# Altium PCB ST1-1-BASIS.PcbDoc (part 6 of 7)
Units mm, origin at the board's own origin, x right, y up, seen from the top; angles counter-clockwise.
Board outline 88 x 170 mm, 6 copper layers (Top Layer, Mid 1, Mid 2 (GND), Mid 3 (PWR), Mid 4, Bottom Layer), stack 1.55 mm thick; 633 components, 333 nets, 1767 pads, 930 vias.
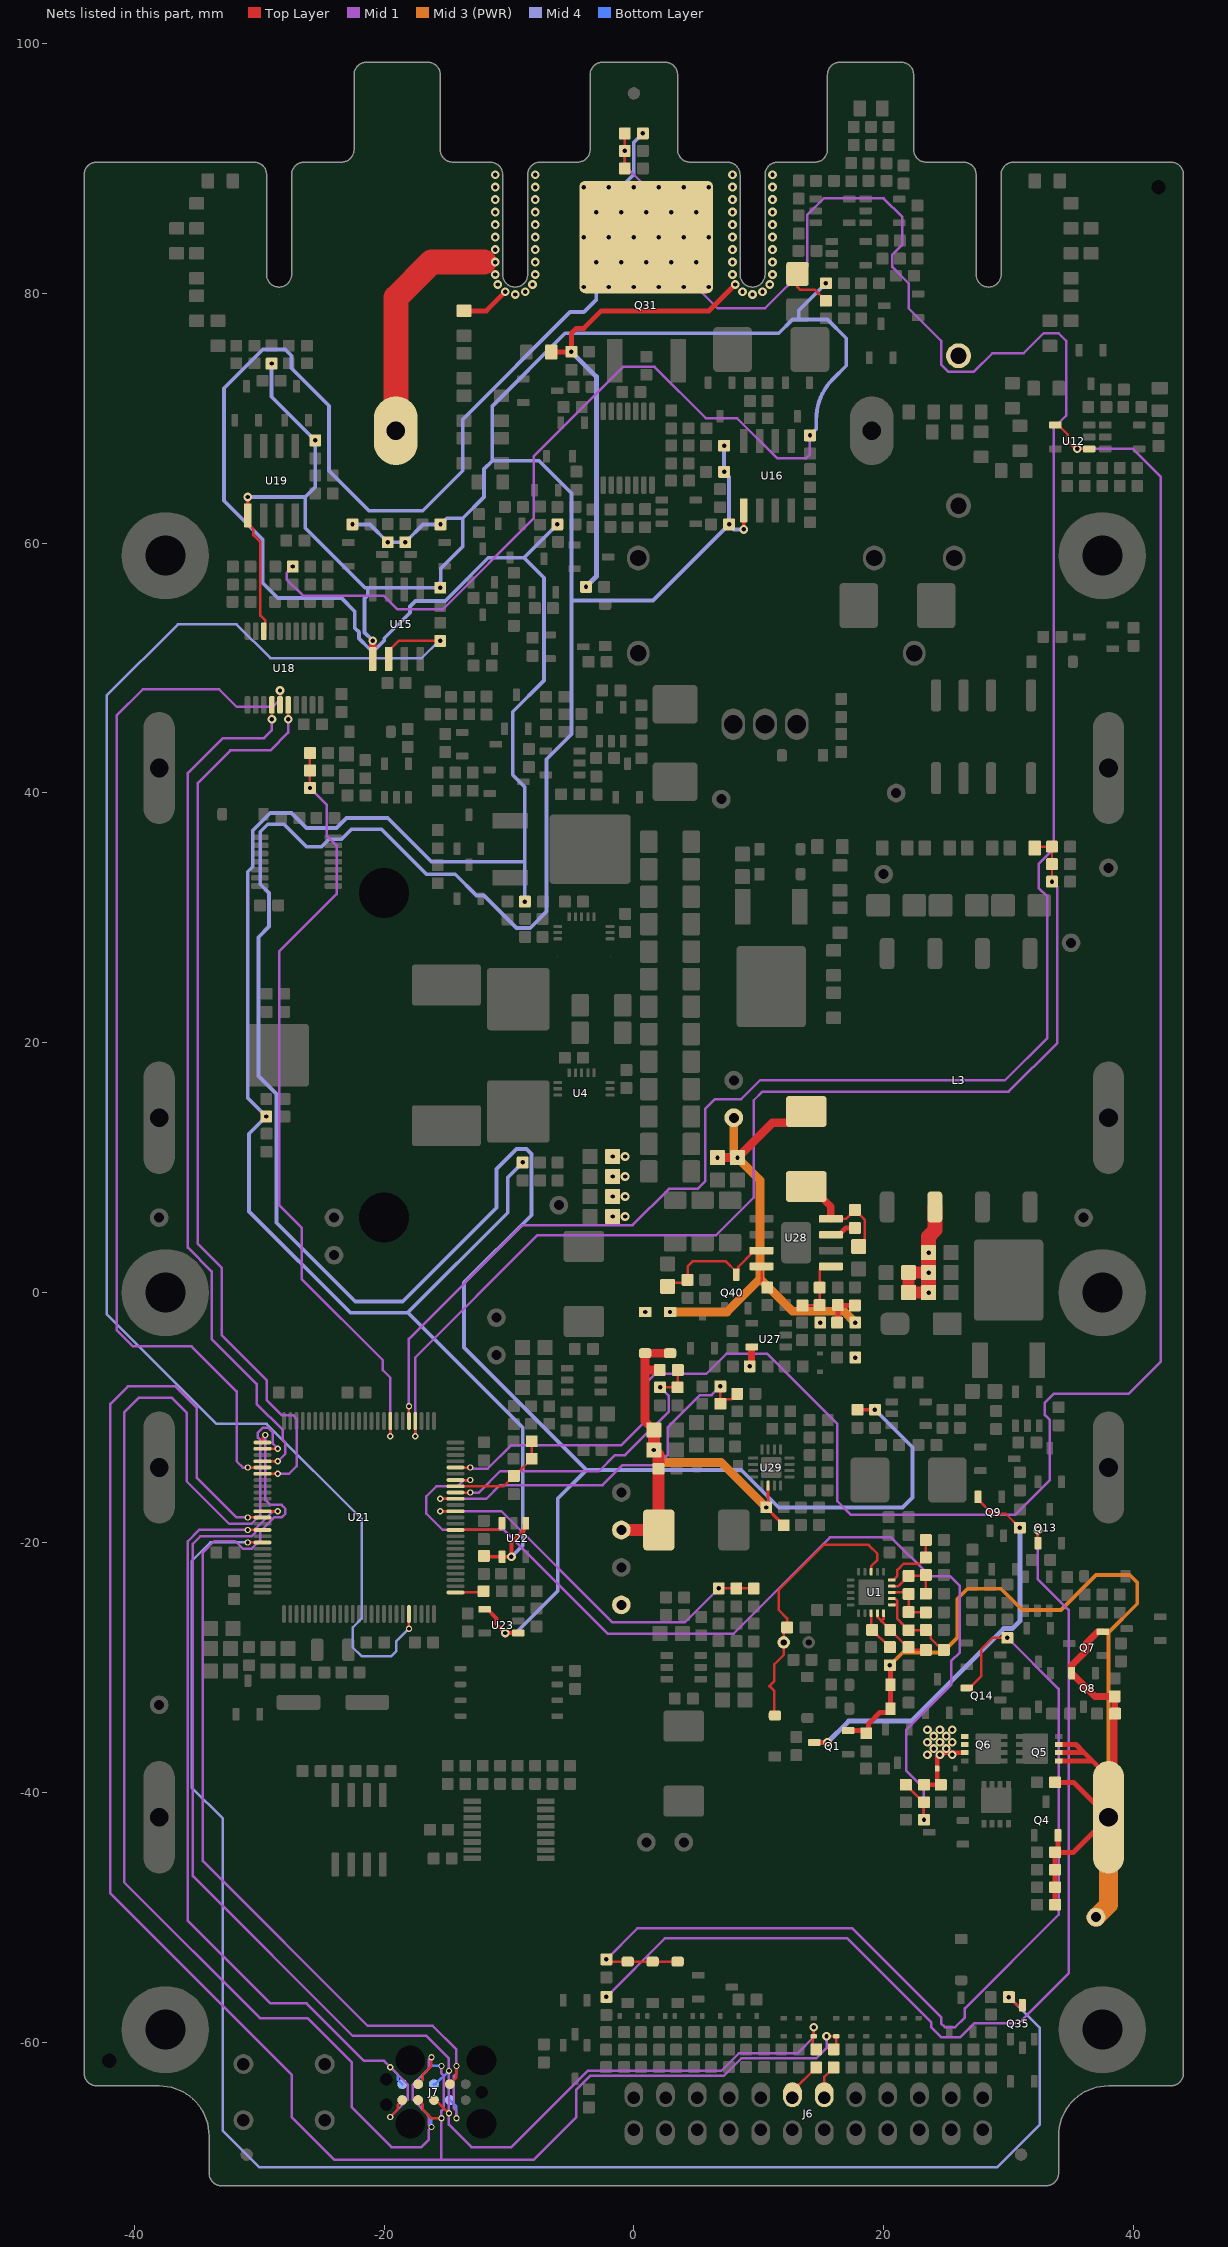
[diagram p10: the nets of this part, all layers, seen from the top]

## Via types
v1: diameter 0.7, hole 0.35, Top Layer to Bottom Layer, tented both sides, 808 vias
v2: diameter 0.5, hole 0.3, Top Layer to Bottom Layer, tented both sides, 94 vias
v3: diameter 0.7, hole 0.35, Top Layer to Bottom Layer, 28 vias

## Nets (pads, with @x,y where several pads share a name; then routed paths per layer and width w, separated by ;. In a path a pad name is that pad's centre, name@x,y a point inside that pad or via, vN(x,y) a via of type N, cw(c..) or ccw(c..) an arc to the next point about the centre after c; other vN are vias at no path point) (continued)
SPI.MISO: U18.15 U21.80 | length 85.3
  Top Layer w0.2: v2(-30.9,-14) U21.80@-29.725,-14 ; U18.15@-28.325,47.05 v1(-28.325,48.2)
  Mid 1 w0.2: v2(-30.9,-14) -31.3,-14 -31.8,-13.5 -31.8,-7.9 -35.4,-4.3 -40.1,-4.3 -41.4,-3 -41.4,46.2 -39.3,48.3 -33.2,48.3 -31.8,46.9 -28.9,46.9 -28.325,47.475 v1(-28.325,48.2)
SPI.MOSI: U18.16 U21.81 | length 72.6
  Top Layer w0.2: U21.81@-29.725,-14.5 v2(-28.5,-14.5) ; v1(-27.675,45.9) U18.16@-27.675,47.05
  Mid 1 w0.2: v2(-28.5,-14.5) -27.6,-14.5 -27,-13.9 -27,-10.1 -27.3,-9.8 -28.2,-9.8 -29.4,-8.6 -29.4,-7 -33,-3.4 -33,2 -34.9,3.9 -34.9,40.8 -32.3,43.4 -29.1,43.4 -27.675,44.825 v1(-27.675,45.9)
SPI.SCK: U18.14 U21.79 | length 70
  Top Layer w0.2: U21.79@-29.725,-13.5 v2(-28.5,-13.5) ; v1(-28.975,45.9) U18.14@-28.975,47.05
  Mid 1 w0.2: v1(-28.975,45.9) -28.975,45.025 -29.6,44.4 -32.9,44.4 -35.7,41.6 -35.7,3.6 -33.8,1.7 -33.8,-3.7 -30.2,-7.3 -30.2,-8.9 -28.1,-11 -28.1,-11.8 -27.9,-12 -27.9,-12.9 v2(-28.5,-13.5)
SWD.SWCLK: J7.4 U21.77 | length 116.3
  Top Layer w0.2: U21.77@-29.725,-12.5 v2(-28.5,-12.5) ; J7.4@-17.27,-63.365 -16.9,-62.995 -16.9,-62.6 -16.2,-61.9 v2(-16.2,-61.2)
  Mid 1 w0.2: v2(-28.5,-12.5) -28.9,-12.1 -28.9,-11.2 -29.3,-10.8 -29.7,-10.8 -30.1,-11.2 -30.1,-11.6 -29.9,-11.8 -29.9,-17.8 -30.6,-18.5 -32.4,-18.5 -35.8,-15.1 -35.8,-9.6 -37,-8.4 -39.6,-8.4 -40.8,-9.6 -40.8,-47.2 -29.9,-58.1 -26.1,-58.1 -22.6,-61.6 -22.6,-65.2 -19.4,-68.4 -17,-68.4 -16.4,-67.8 -16.4,-67 v2(-16.2,-66.8) -16.4,-66.6 -16.4,-65.9 -17.7,-64.6 -17.7,-63.4 -16.4,-62.1 -16.4,-61.4 v2(-16.2,-61.2)
  Bottom Layer w0.2: J7.4@-17.27,-64.635 -16.9,-65.005 -16.9,-65.4 -16.2,-66.1 v2(-16.2,-66.8)
SWD.SWDAT: J7.2 U21.76 | length 77.3
  Top Layer w0.2: U21.76@-29.725,-12 -29.725,-11.625 v2(-29.5,-11.4) ; J7.2@-14.73,-63.365 -14.2,-62.835 v2(-14.2,-61.9)
  Mid 1 w0.2: v2(-29.5,-11.4) -29.5,-16.6 -29.1,-17 -28.2,-17 -27.9,-17.3 -27.9,-17.7 -28.2,-18 -28.8,-18 -29.9,-19.1 -29.9,-19.8 -30.6,-20.5 -31.3,-20.5 -31.9,-19.9 -33.6,-19.9 -34.5,-20.8 -34.5,-45.5 -21.3,-58.7 -16.1,-58.7 -14.2,-60.6 v2(-14.2,-61.9) -14.2,-62.5 -14.4,-62.7 -14.4,-65.3 -14.2,-65.5 v2(-14.2,-66.1)
  Bottom Layer w0.2: J7.2@-14.73,-64.635 -14.2,-65.165 v2(-14.2,-66.1)
SWD.SWO: J7.6 U21.90 | length 66.5
  Top Layer w0.2: v2(-30.9,-19) U21.90@-29.725,-19 ; v2(-19.5,-66) -18.9,-65.4 -18.9,-64.995 J7.6@-18.54,-64.635
  Mid 1 w0.2: v2(-30.9,-19) -34.8,-19 -35.7,-19.9 -35.7,-50.3 -29.1,-56.9 -26.2,-56.9 -21.6,-61.5 -20,-61.5 v2(-19.5,-62) -18.1,-63.4 -18.1,-64.6 v2(-19.5,-66)
  Bottom Layer w0.2: v2(-19.5,-62) -18.9,-62.6 -18.9,-63.005 J7.6@-18.54,-63.365
TEMP_CURRENT: C69.1 R150.2 R152.1 U21.55 | length 193.5
  Top Layer w0.2: U21.55@-18,-10.275 v2(-18,-9.1) ; R152.1@-0.725,90 v1(-0.725,91.4) R150.2@-0.725,92.8
  Mid 1 w0.2: v2(-18,-9.1) -18,-3.7 -8.9,5.4 -0.1,5.4 2.8,8.3 5.1,8.3 5.7,8.9 5.7,14.7 6.5,15.5 8.6,15.5 10.1,17 29.7,17 33.1,20.4 33.1,31.7 32.4,32.4 32.4,34.3 33.6,35.5 33.6,69.2 34.6,70.2 34.6,76.2 34,76.8 32.8,76.8 31.2,75.2 28.7,75.2 27.2,73.7 25.2,73.7 24.6,74.3 24.6,76.2 22.011,78.789 22.011,80.789 20.7,82.1 20.7,83.1 21.5,83.9 21.5,86.1 20,87.6 15.2,87.6 13.9,86.3 13.9,82.2 10.5,78.8 6.7,78.8 4,81.5 4,83.5 2,85.5 2,87.5 -0.725,90.225 v1(-0.725,91.4)
TERM_N: GDT1.2 J3.1 Q31.3 R125.1 R126.1 R133.2 R137.2 R164.1 | length 41.6
  Top Layer w0.2: R126.1@13.1,81.55 13.1,80.5 13.3,80.3 14.475,80.3 R125.1@15.375,79.4
  Top Layer w0.4: R164.1@-6.6,75.3 -6.587,75.313 -5.013,75.313 v1(-5,75.325) ; R137.2@-5,75.3 -5,76.8 -4.6,77.2 -4,77.2 -2.6,78.6 6.014,78.6 v1(8.114,80.7)
  Mid 4 w0.4: v1(-5,75.325) -3,73.325 -3,57.325 v1(-3.825,56.5)
  other v1: 9.5,79.9 8.7,80.114 10.3,80.114 10.886,80.7 7.9,81.5 11.1,81.5 7.9,82.5 11.1,82.5 7.9,83.5 11.1,83.5 7.9,84.5 11.1,84.5 7.9,85.5 11.1,85.5 7.9,86.5 11.1,86.5 7.9,87.5 11.1,87.5 7.9,88.5 11.1,88.5 7.9,89.5 11.1,89.5
  other v3: -4,80.5 -2,80.5 0,80.5 2,80.5 4,80.5 6,80.5 -3,82.5 -1,82.5 1,82.5 3,82.5 5,82.5 -4,84.5 -2,84.5 0,84.5 2,84.5 4,84.5 6,84.5 -3,86.5 -1,86.5 1,86.5 3,86.5 5,86.5 -4,88.5 -2,88.5 0,88.5 2,88.5 4,88.5 6,88.5
TERM_P: F2.2 J2.1 R154.1 | length 22.8
  Top Layer w0.4: R154.1@-13.6,78.6 -11.814,78.6 v1(-10.3,80.114)
  Top Layer w2: F2.2@-19.05,69 -19.05,79.645 -16.195,82.5 -12,82.5
  other v1: -9.5,79.9 -8.7,80.114 -10.886,80.7 -8.114,80.7 -11.1,81.5 -7.9,81.5 -11.1,82.5 -7.9,82.5 -11.1,83.5 -7.9,83.5 -11.1,84.5 -7.9,84.5 -11.1,85.5 -7.9,85.5 -11.1,86.5 -7.9,86.5 -11.1,87.5 -7.9,87.5 -11.1,88.5 -7.9,88.5 -11.1,89.5 -7.9,89.5
TS: C11.1 D3.1 J1.1 R15.1 U1.8 | length 22.4
  Top Layer w0.2: D3.1@11.3,-33.85 11.25,-33.8 11.25,-31.9 J1.1@10.85,-31.5 11.25,-31.1 11.25,-29.75 12,-29 R15.1@12,-28 12,-27.075 C11.1@12.275,-26.8 12.275,-26.075 11.6,-25.4 11.6,-23.8 15.2,-20.2 18.8,-20.2 19.5,-20.9 19.5,-21.4 19,-21.9 U1.8@19,-22.35
UART.RX: D43.1 J7.7 R216.1 U21.88 | length 148.7
  Top Layer w0.2: v2(-30.9,-18) U21.88@-29.725,-18 ; J7.7@-17.27,-64.635 -16.9,-65.005 -16.9,-65.4 -16.2,-66.1 v2(-15.4,-66.1) ; v1(15.424,-59.525) D43.1@16.2,-59.525 16.2,-60.375 R216.1@16,-60.575
  Mid 1 w0.2: v2(-30.9,-18) -31.8,-18 -35,-14.8 -35,-9.2 -36.7,-7.5 -40.5,-7.5 -41.9,-8.9 -41.9,-48.1 -27.4,-62.6 -27.4,-66 -24,-69.4 -15.4,-69.4 ; v2(-15.4,-61.9) -15.4,-62.5 -15.2,-62.7 -15.2,-65.3 -15.4,-65.5 v2(-15.4,-66.1) -15.4,-69.4 ; v1(15.424,-59.525) 15.424,-60.476 14.6,-61.3 8.6,-61.3 7.2,-62.7 -3.5,-62.7 -4.6,-63.8 -4.6,-66 -8,-69.4 -15.4,-69.4
  Bottom Layer w0.2: J7.7@-17.27,-63.365 -16.9,-62.995 -16.9,-62.6 -16.2,-61.9 v2(-15.4,-61.9)
UART.TX: D42.1 J7.8 R214.1 U21.87 | length 107.3
  Top Layer w0.2: U21.87@-29.725,-17.5 v2(-28.5,-17.5) ; J7.8@-16,-64.635 -15.865,-64.635 v2(-14.8,-65.7) ; v1(14.4,-58.8) D42.1@14.4,-59.525 14.389,-59.525 14.314,-59.6 14.314,-60.261 14.3,-60.275 R214.1@14.6,-60.575
  Mid 1 w0.2: v2(-28.5,-17.5) -28.9,-17.5 -30.3,-18.9 -30.3,-19.2 -30.6,-19.5 -34.7,-19.5 -35.3,-20.1 -35.3,-46.7 -22.5,-59.5 -16.6,-59.5 -14.8,-61.3 v2(-14.8,-62.3) v2(-14.8,-65.7) -14.8,-66.6 -13,-68.4 -9.8,-68.4 -3.7,-62.3 7,-62.3 8.4,-60.9 13.1,-60.9 14.4,-59.6 v1(14.4,-58.8)
  Bottom Layer w0.2: J7.8@-16,-63.365 -15.865,-63.365 v2(-14.8,-62.3)
UART_RX_UI: J6.14 R216.2 | length 2.7
  Top Layer w0.2: J6.14@15.24,-64.46 15.24,-62.785 R216.2@16,-62.025
UART_TX_UI: J6.12 R214.2 | length 3.2
  Top Layer w0.2: J6.12@12.7,-64.46 12.7,-63.925 R214.2@14.6,-62.025
UI_ON_OFF.OFF: Q13.1@32.35,-20.05 R228.2 | length 82.1
  Top Layer w0.2: Q13.1@32.35,-20.05 v1(32.35,-19)
  Mid 1 w0.2: v1(-2.2,-56.375) 2.475,-51.7 17.1,-51.7 23.8,-58.4 23.8,-58.8 24.6,-59.6 26.136,-59.6 27.236,-58.5 30.8,-58.5 34.8,-54.5 34.8,-25.4 32.35,-22.95 v1(32.35,-19)
UI_ON_OFF.ON: D46.1 D47.1 D48.1 Q14.1@26.65,-31.65 R45.1 R229.1 | length 80.8
  Top Layer w0.2: v1(-2.2,-53.375) -2.025,-53.55 D47.1@-0.5,-53.55 D46.1@1.5,-53.55 D48.1@3.5,-53.55 ; Q14.1@26.65,-31.65 26.875,-31.65 27.806,-30.719 27.806,-28.575 28.756,-27.625 v1(29.9,-27.625)
  Mid 1 w0.2: v1(-2.2,-53.375) 0.275,-50.9 17.5,-50.9 24.6,-58 24.6,-58.5 24.9,-58.8 25.729,-58.8 26.5,-58.029 26.5,-57.3 34,-49.8 34,-31.725 v1(29.9,-27.625)
UI_PRESENT: Q35.3 R205.1 U21.92 | length 133.5
  Top Layer w0.2: v2(-30.9,-20) U21.92@-29.725,-20 ; v1(30.025,-56.4) 30.675,-57.05 Q35.3@31.1,-57.05
  Mid 4 w0.2: v2(-30.9,-20) -33.9,-20 -35.4,-21.5 -35.4,-39.6 -32.9,-42.1 -32.9,-67.1 -30,-70 29.1,-70 32.5,-66.6 32.5,-58.875 v1(30.025,-56.4)
V_3V3: C139.1 R279.2 R281.1 U21.39 | length 31.1
  Top Layer w0.2: v2(-15.5,-17.5) U21.39@-14.275,-17.5 ; v1(6.8,-23.675) C139.1@8.2,-23.675 R279.2@9.6,-23.675
  Mid 1 w0.2: v2(-15.5,-17.5) -10.6,-17.5 -1.7,-26.4 4.075,-26.4 v1(6.8,-23.675)
V_3V3_A: C151.1 R289.2 R290.1 U21.58 | length 62.4
  Top Layer w0.2: v1(-25.925,40.4) C151.1@-25.925,41.8 R289.2@-25.925,43.2 ; v2(-19.5,-11.5) U21.58@-19.5,-10.275
  Mid 1 w0.2: v1(-25.925,40.4) -24.6,39.075 -24.6,36.6 -23.8,35.8 -23.8,31.9 -28.4,27.3 -28.4,7 -26.6,5.2 -26.6,1.1 -20.1,-5.4 -20.1,-6.2 -19.5,-6.8 v2(-19.5,-11.5)
V_5V: C146.1 R286.2 R288.1 U21.43 | length 8.4
  Top Layer w0.2: U21.43@-14.275,-15.5 -10.425,-15.5 C146.1@-9.6,-14.675 -9.55,-14.675 R288.1@-8.175,-13.3 R286.2@-8.175,-11.9
V_15V: C129.1 R270.2 R272.1 U21.41 | length 31.7
  Top Layer w0.2: v2(-15.5,-16.5) U21.41@-14.275,-16.5 ; v1(6.925,-7.5) C129.1@6.925,-8.9 7.3,-8.525 7.85,-8.525 R270.2@8.275,-8.1
  Mid 1 w0.2: v2(-15.5,-16.5) -11.8,-16.5 -10.7,-15.4 -2.5,-15.4 -0.9,-13.8 1.9,-13.8 2.7,-13 2.7,-10.8 5.3,-8.2 6.225,-8.2 v1(6.925,-7.5)
V_HV: C49.1 R68.2 R71.1 R72.1 U21.54 | length 91.3
  Top Layer w0.2: v2(-17.5,-11.5) U21.54@-17.5,-10.275 ; R68.2@32,35.6 32.1,35.7 R71.1@33.475,35.7 R72.1@33.475,34.3 v1(33.475,32.9)
  Mid 1 w0.2: v2(-17.5,-11.5) -17.5,-5.2 -7.7,4.6 6.6,4.6 9.6,7.6 9.6,15.4 10.3,16.1 30,16.1 33.9,20 33.9,32.475 v1(33.475,32.9)
V_IN: C15.1 R29.2 R34.1 U21.44 | length 82.6
  Top Layer w0.2: U21.44@-14.275,-15 v2(-13.1,-15) ; R29.2@21.775,-39.4 21.8,-39.4 23.2,-40.8 R34.1@23.225,-40.8 v1(23.225,-42.2)
  Mid 1 w0.2: v2(-13.1,-15) -13.6,-15 -14.1,-15.5 -15.8,-15.5 -16.6,-16.3 -16.6,-17.7 -15.3,-19 -10.4,-19 -2.1,-27.3 8,-27.3 15.7,-19.6 20.6,-19.6 23.7,-22.7 25.3,-22.7 26.1,-23.5 26.1,-28.8 25.4,-29.5 25.4,-31.4 21.8,-35 21.8,-38.27 23.225,-39.695 v1(23.225,-42.2)
V_OUT: U12.1@36.45,67.55 U12.4 U21.46 | length 162.6
  Top Layer w0.2: U21.46@-14.275,-14 v2(-13.1,-14) ; U12.4@33.75,69.45 33.975,69.45 34.751,68.674 34.751,68.149 35.35,67.55 v1(35.5,67.55) U12.1@36.45,67.55
  Mid 1 w0.2: v2(-13.1,-14) -13,-14.1 -11.7,-14.1 -9.8,-12.2 -1,-12.2 1.1,-10.1 1.1,-7.1 1.7,-6.5 5.8,-6.5 7.4,-4.9 10.7,-4.9 16.3,-10.5 16.3,-16.7 17.4,-17.8 30.5,-17.8 33.3,-15 33.3,-10.2 32.9,-9.8 32.9,-8.8 33.6,-8.1 39.6,-8.1 42.2,-5.5 42.2,65.3 39.95,67.55 v1(35.5,67.55)
V_TERM: R160.1 U15.6 U21.21 | length 130.5
  Top Layer w0.2: U15.6@-19.635,50.72 -19.635,51.37 -18.83,52.175 v1(-15.5,52.175) ; v2(-18,-26.9) U21.21@-18,-25.725
  Mid 4 w0.2: v2(-18,-26.9) -19,-27.9 -19,-28.7 -19.4,-29.1 -21.8,-29.1 -22.5,-28.4 -22.5,-26.8 -21.8,-26.1 -21.8,-18.1 -29.4,-10.5 -33.4,-10.5 -42.2,-1.7 -42.2,47.8 -36.5,53.5 -31.8,53.5 -29.095,50.795 -16.98,50.795 -15.6,52.175 v1(-15.5,52.175)
V_VCC: C110.1 R252.2 R254.1 U21.42 | length 24.8
  Top Layer w0.2: U21.42@-14.275,-16 v2(-13.1,-16) ; v1(2.1,-7.575) R254.1@3.5,-7.575 3.5,-6.225 R252.2@3.525,-6.2
  Mid 1 w0.2: v2(-13.1,-16) -12.4,-16 -10.7,-14.3 -2.8,-14.3 -1.5,-13 -0.7,-13 2.8,-9.5 2.8,-8.275 v1(2.1,-7.575)
VBAT: BAT1.1 D1.2 D2.2 Q1.2 Q4.2 Q5.1@34,-37.475 Q5.2 Q5.3 Q7.2 Q8.2 R3.1 R4.1 R22.1 R23.1 R24.1 R25.1 R26.1 R27.1 R28.1 TP14.1 | length 103.8
  Top Layer w0.4: Q1.2@17.15,-35.05 18.375,-35.05 R4.1@18.6,-35.275 18.8,-35.075 18.8,-34.5 19.7,-33.6 20.25,-33.6 D2.2@20.55,-33.3 D1.2@20.55,-31.4 20.55,-29.875 v1(20.5,-29.825) ; R24.1@33.725,-49 R23.1@33.725,-47.6 R22.1@33.725,-46.2 R25.1@33.725,-44.8 ; R26.1@33.725,-39.2 35.2,-39.2 BAT1.1@38,-42 35.2,-44.8 R25.1@33.725,-44.8 ; Q4.2@33.95,-43.45 33.95,-44.575 R25.1@33.725,-44.8 ; Q5.1@34,-37.475 36.7,-37.475 ; Q5.2@34,-36.825 36.05,-36.825 ; Q5.3@34,-36.175 35.4,-36.175 36.05,-36.825 ; BAT1.1@38,-38.775 36.7,-37.475 ; 36.05,-36.825 36.7,-37.475
  Top Layer w0.55: Q7.2@37.55,-27.15 37.125,-27.15 36.2,-28.075 36.2,-28.7 35.05,-29.85 Q8.2@35.05,-30.45 36.925,-32.325 R27.1@38.5,-32.325 R28.1@38.5,-33.675 ; BAT1.1@38.425,-38.35 38.425,-33.8 R28.1@38.525,-33.7
  Mid 3 (PWR) w0.3: v1(20.5,-29.825) 21.525,-28.8 24.7,-28.8 25.9,-27.6 25.9,-24.5 26.7,-23.7 29.4,-23.7 31.1,-25.4 34.2,-25.4 37,-22.6 39.7,-22.6 40.3,-23.2 40.3,-24.9 38,-27.2 BAT1.1@38,-42
  Mid 3 (PWR) w1.5: TP14.1@37,-50 38,-49 BAT1.1@38,-42
VBAT_STBY: Q1.3 Q9.2 R30.1 | length 32.4
  Top Layer w0.2: Q9.2@27.55,-16.35 27.55,-16.575 28.675,-17.7 29.775,-17.7 v1(30.9,-18.825)
  Top Layer w0.4: Q1.3@14.45,-36 v1(15.5,-36)
  Mid 4 w0.4: v1(15.5,-36) 17.2,-34.3 22.2,-34.3 29.6,-26.9 30.3,-26.9 30.9,-26.3 v1(30.9,-18.825)
VC0: C9.1 R10.2 U1.5 | length 5.2
  Top Layer w0.2: U1.5@20.65,-23 20.8,-23 21.1,-22.7 21.1,-22.2 21.6,-21.7 22.875,-21.7 R10.2@23.375,-21.2 C9.1@23.375,-19.8
VC1: C7.2 C8.1 R9.2 U1.4 | length 4.6
  Top Layer w0.2: U1.4@20.65,-23.5 21.175,-23.5 C7.2@22,-22.675 23.3,-22.675 C8.1@23.375,-22.6 R9.2@23.375,-24.1
VC2: C5.2 C7.1 R8.2 U1.3 | length 4.2
  Top Layer w0.2: U1.3@20.65,-24 21.875,-24 21.95,-24.075 C7.1@22,-24.125 C5.2@22,-25.575 22.013,-25.588 23.362,-25.588 R8.2@23.375,-25.6
VC3: C3.2 C5.1 R7.2 U1.1@20.65,-25 U1.2 | length 7.4
  Top Layer w0.2: U1.1@20.65,-25 21.1,-25 ; U1.2@20.65,-24.5 20.9,-24.5 21.1,-24.7 21.1,-25 ; C3.2@24.825,-28.6 24.45,-28.225 24.307,-28.225 23.75,-27.668 23.75,-27.375 R7.2@23.375,-27 23.362,-27.013 22.013,-27.013 C5.1@22,-27.025 21.461,-26.486 21.1,-26.125 21.1,-25
VC4: C2.2 C3.1 R5.2 U1.19 U1.20 | length 6
  Top Layer w0.2: U1.19@19.5,-25.65 19.5,-25.975 19.812,-26.287 ; U1.20@20,-25.65 20,-26.1 19.812,-26.287 ; C3.1@23.375,-28.6 22.225,-28.6 R5.2@22,-28.375 21.625,-28 21.525,-28 19.812,-26.287
VC5: C2.1 R3.2 U1.18 | length 3.4
  Top Layer w0.2: U1.18@19,-25.65 19,-26.925 C2.1@19.075,-27 20.45,-28.375 R3.2@20.5,-28.375
VCC: C121.1 C122.1 C123.1 C124.1 D53.1 D56.1 L5.1 R252.1 R267.1 TP3.1 U29.2 | length 35.5
  Top Layer w0.25: U29.2@10.75,-15.45 10.75,-17.05 v1(10.6,-17.2) 11.65,-18.25 11.65,-18.275 R267.1@12,-18.625
  Top Layer w0.7: C121.1@1.6,-11 0.9,-10.3 0.9,-6.2 ; R252.1@2.075,-6.2 0.9,-6.2 ; D56.1@2.9,-4.85 D53.1@0.9,-4.85 0.9,-6.2
  Top Layer w0.95: TP3.1@-1,-19 L5.1@2,-19 ; C121.1@1.6,-11 v1(1.6,-12.6) 1.975,-12.975 C123.1@1.975,-14.1 L5.1@1.975,-18.975
  Mid 3 (PWR) w0.7: v1(1.6,-12.6) 2.6,-13.6 7,-13.6 v1(10.6,-17.2)
VCC_BST: C116.2 U28.7 | length 2.1
  Top Layer w0.4: U28.7@15.78,4.635 16.43,4.635 16.97,5.175 C116.2@17.7,5.175
VCC_EN: Q40.3 R259.2 R262.1 U28.3 | length 10.6
  Top Layer w0.2: R259.2@2.7,0.5 3,0.8 4.075,0.8 R262.1@4.3,1.025 4.3,2.1 4.7,2.5 7.375,2.5 8.2,1.675 Q40.3@8.2,1.45 8.373,1.623 8.373,2.073 9.5,3.2 10.055,3.2 U28.3@10.22,3.365
VCC_FB: C120.2 R263.2 R264.1 U28.5 | length 5.2
  Top Layer w0.2: R264.1@13.5,-1.025 14.85,-1.025 R263.2@14.875,-1 C120.2@14.875,0.4 14.875,1.775 15.195,2.095 U28.5@15.78,2.095
VCC_GAIN_MEAS: C119.2 R261.2 R263.1 | length 2.8
  Top Layer w0.4: R261.2@16.275,-2.4 16.325,-2.35 R263.1@16.325,-1 16.338,-1.013 17.687,-1.013 C119.2@17.7,-1.025
VCC_OUT: C117.1 C118.1 D56.2 L4.2 R261.1 TP21.1 | length 41.4
  Top Layer w0.7: v1(6.7,10.8) v1(8.3,10.8) 11.1,13.6 12.9,13.6 L4.2@13.8,14.5
  Mid 3 (PWR) w0.7: v1(2.9,-1.55) 7.45,-1.55 10.1,1.1 ; v1(6.7,10.8) v1(8.3,10.8) ; TP21.1@8,14 8,11.1 v1(8.3,10.8) ; v1(17.725,-2.4) 16.825,-1.5 12.7,-1.5 10.1,1.1 ; v1(8.3,10.8) 10.1,9 10.1,1.1
VCC_RT: R265.1 U28.4 | length 1.9
  Top Layer w0.2: U28.4@10.22,2.095 10.22,0.855 R265.1@10.675,0.4
VCC_SW: C116.1 L4.1 R260.1 U28.8 | length 9.3
  Top Layer w0.2: U28.8@15.78,5.905 16.98,5.905 C116.1@17.7,6.625 18.5,5.825 18.5,4.2 R260.1@18,3.7
  Top Layer w0.6: L4.1@13.8,8.5 14.175,8.5 15.78,6.895 U28.8@15.78,5.905
VIN: C18.1 C19.1 C20.1 C21.1 C45.1 C46.1 C47.1 C48.1 C109.1 D6.1 D53.2 L3.2 Q6.1@26.5,-35.525 Q6.2 Q6.3 R29.1 R31.1 R62.1 R250.1 R251.1 TP11.1 U4.7 U27.5 | length 19.7
  Top Layer w0.35: R29.1@23.225,-39.4 R31.1@24.575,-39.4 24.275,-39.1 D6.1@24.275,-38.1 ; D6.1@24.275,-38.175 24.275,-37.125 24.575,-36.825 25.5,-36.825 Q6.3@26.5,-36.825
  Top Layer w0.55: v1(9.275,-5.9) 9.425,-5.75 9.425,-4.35 U27.5@9.45,-4.35
  Top Layer w0.95: v1(23.6,0) C48.1@22,0 R62.1@22,1.6 v1(23.6,1.6)
  Top Layer w1.2: v1(23.6,0) v1(23.6,1.6) v1(23.6,3.2) 23.6,4.5 24.095,4.995 L3.2@24.095,6.85
  other v1: 23.5,-37 24.5,-37 25.5,-37 24,-36.5 25,-36.5 23.5,-36 24.5,-36 25.5,-36 24,-35.5 25,-35.5 23.5,-35 24.5,-35 25.5,-35 17.725,-5.2 14.925,-2.4 0.9,-1.55 -1.7,6.1 -0.7,6.1 -1.7,7.7 -0.7,7.7 -1.7,9.3 -0.7,9.3 -1.7,10.9 -0.7,10.9
VREF: R51.1 R52.1 R53.1 R131.1 R150.1 R236.1 U22.1@-8.65,-18.45 U22.4 | length 260.3
  Top Layer w0.3: R236.1@-12,-21.075 -11.925,-21.15 U22.4@-10.55,-21.15 v1(-9.8,-21.15) -9.8,-20 -8.8,-19 -8.8,-18.6 U22.1@-8.65,-18.45
  Mid 4 w0.3: v1(-9.8,-21.15) -8.9,-20.25 -8.9,-10.8 -18.1,-1.6 ; v1(-8.9,10.425) -10.1,9.225 -10.1,6.4 -18.1,-1.6 ; v1(-8.725,31.3) -8.725,34.5 ; v1(-6.125,61.5) -8.8,58.825 ; v1(0.725,92.8) 0,92.075 0,89.5 -2,87.5 -2,85.5 -3.8,83.7 -3.8,81.8 -3,81 -3,79.5 -4,78.5 -5.1,78.5 -13.7,69.9 -13.7,65.8 -16.9,62.6 -21.2,62.6 -24.4,65.8 -24.4,71 -27.4,74 -27.4,75 -27.9,75.5 -29.7,75.5 -32.8,72.4 -32.8,63.4 -29.7,60.3 -29.7,56.8 -28.5,55.6 -23.4,55.6 -22.35,54.55 -22.35,53.221 -22.005,52.876 -22.005,52.376 -21.174,51.545 -20.636,51.545 -19.973,52.208 -19.973,52.383 -17.925,54.431 -17.925,54.931 -17.481,55.375 -15.103,55.375 -11.653,58.825 -8.8,58.825 ; -18.1,-1.6 -22.7,-1.6 -30.8,6.5 -30.8,12.725 v1(-29.425,14.1) -30.9,15.575 -30.9,33.7 -30.5,34.1 -30.5,37 -29.1,38.4 -27.4,38.4 -26.2,37.2 -23.8,37.2 -23,38 -19.7,38 -16.2,34.5 -8.725,34.5 ; -8.8,58.825 -7.2,57.225 -7.2,49 -9.7,46.5 -9.7,41.45 -8.725,40.475 -8.725,34.5